# KiCad board EOutside.kicad_pcb (continued)
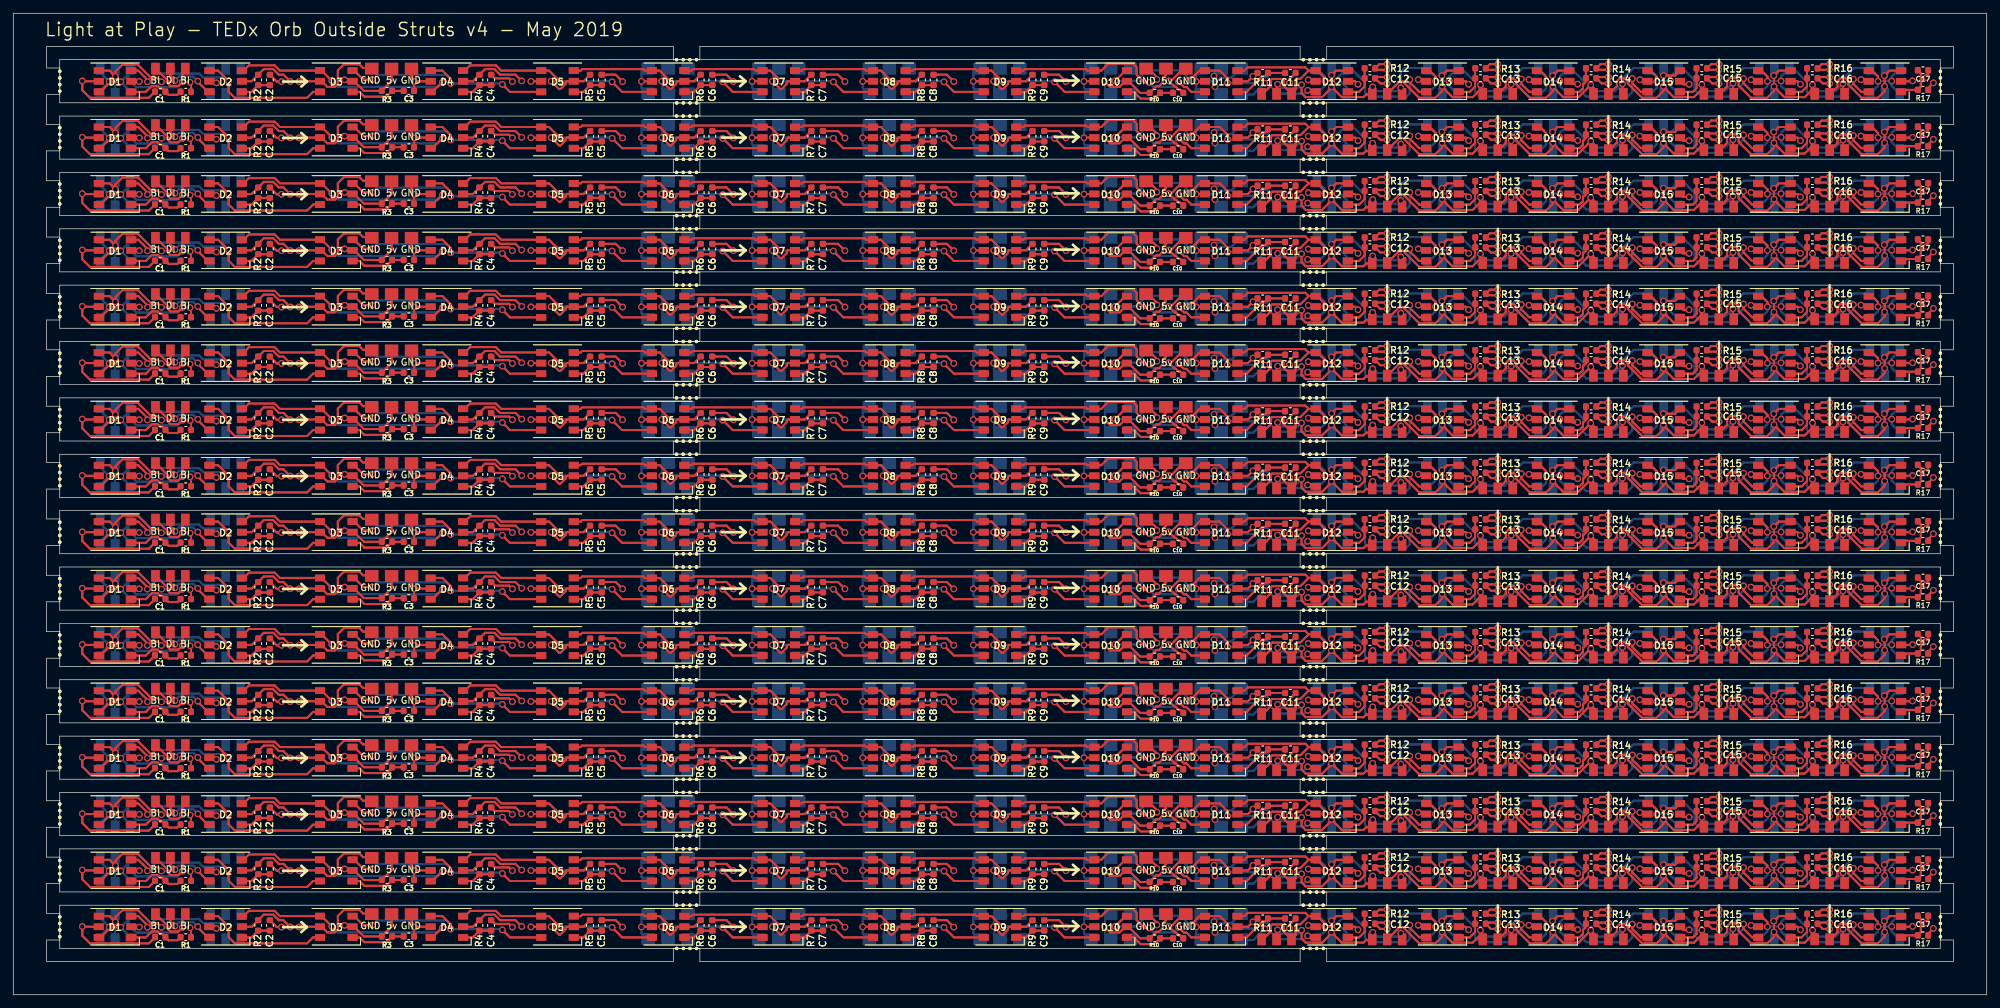
[diagram p0: board, top side]
## Routing (per net, layer and track width the routed paths; a pad name or vN(x,y) marks a point on that pad's centre or on a via; arc(x,y) is an arc through that point) (continued)
  Bottom w0.3: 248.72,139.74 248.72,139.34 248.72,139.74 ; 248.72,139.74 248.67,139.8 248.72,139.74 ; 248.62,135.9 v1(248.62,136.97) 248.62,135.9 ; 248.62,135.9 J11#34.1 248.62,135.9 ; v1(266.35,137.79) 266.35,138.47 ; v1(266.35,137.79) 266.35,137.03 ; v1(266.35,137.79) 264.33,137.79 ; v1(266.35,137.79) 266.35,138.47 ; v1(266.35,137.79) 266.35,137.03 ; v1(266.35,137.79) 264.33,137.79 ; 266.35,138.47 267.53,139.65 266.35,138.47 ; 266.35,137.03 267.53,135.85 266.35,137.03 ; 264.33,137.79 v1(264.29,137.75) ; 264.33,137.79 v1(264.29,137.75) ; v1(264.29,137.75) 264.29,137.05 ; v1(264.29,137.75) 264.29,137.05 ; v1(264.29,137.75) 264.29,138.45 ; v1(264.29,137.75) 264.29,138.45 ; 264.29,137.05 J14#33.2 264.29,137.05 ; v1(266.35,129.29) 266.35,129.97 ; v1(266.35,129.29) 266.35,128.53 ; v1(266.35,129.29) 264.33,129.29 ; v1(266.35,129.29) 264.33,129.29 ; v1(266.35,129.29) 266.35,128.53 ; v1(266.35,129.29) 266.35,129.97 ; 266.35,129.97 267.53,131.15 266.35,129.97 ; 266.35,128.53 267.53,127.35 266.35,128.53 ; 264.33,129.29 v1(264.29,129.25) ; 264.33,129.29 v1(264.29,129.25) ; v1(264.29,129.25) 264.29,128.55 ; v1(264.29,129.25) 264.29,129.95 ; v1(264.29,129.25) 264.29,129.95 ; v1(264.29,129.25) 264.29,128.55 ; 264.29,128.55 J14#36.2 264.29,128.55 ; 248.72,131.24 248.72,130.84 248.72,131.24 ; 248.72,131.24 248.67,131.3 248.72,131.24 ; 248.62,127.4 v1(248.62,128.47) 248.62,127.4 ; 248.62,127.4 J11#35.1 248.62,127.4 ; 248.62,131.11 J11#36.1 248.62,131.11 ; 248.62,131.11 248.62,130.83 ; 248.62,131.11 248.62,130.83 ; 248.62,130.83 v1(248.62,130.12) 248.62,130.83 ; 264.29,129.95 J14#35.2 264.29,129.95 ; 257.91,127.76 258.6,128.45 ; 257.91,127.76 255.4,127.76 ; 257.91,127.76 258.6,128.45 ; 257.91,127.76 255.4,127.76 ; 258.6,128.45 v1(259.1,128.95) ; 258.6,128.45 v1(259.1,128.95) ; 259.1,129.66 v1(259.1,128.95) ; 259.1,129.66 260.69,131.25 ; 259.1,129.66 v1(259.1,128.95) ; 259.1,129.66 260.69,131.25 ; 260.69,131.25 263.08,131.25 260.69,131.25 ; 255.4,127.76 v1(254.41,128.75) 255.4,127.76 ; 275.3,126.93 277.23,128.85 ; 275.3,126.93 270.99,126.93 ; 275.3,126.93 270.99,126.93 ; 275.3,126.93 277.23,128.85 ; 277.23,128.85 v1(277.23,129.56) 277.23,128.85 ; 270.25,129.11 270.25,127.67 ; 270.25,129.11 268.06,131.3 ; 270.25,129.11 268.06,131.3 ; 270.25,129.11 270.25,127.67 ; 270.25,127.67 270.99,126.93 ; 270.25,127.67 270.99,126.93 ; 268.06,131.3 267.58,131.3 268.06,131.3 ; v1(266.35,120.79) 266.35,121.47 ; v1(266.35,120.79) 266.35,120.03 ; v1(266.35,120.79) 264.33,120.79 ; v1(266.35,120.79) 266.35,121.47 ; v1(266.35,120.79) 266.35,120.03 ; v1(266.35,120.79) 264.33,120.79 ; 266.35,121.47 267.53,122.65 266.35,121.47 ; 266.35,120.03 267.53,118.85 266.35,120.03 ; 264.33,120.79 v1(264.29,120.75) ; 264.33,120.79 v1(264.29,120.75) ; v1(264.29,120.75) 264.29,120.05 ; v1(264.29,120.75) 264.29,121.45 ; v1(264.29,120.75) 264.29,120.05 ; v1(264.29,120.75) 264.29,121.45 ; 264.29,120.05 J14#38.2 264.29,120.05 ; 248.72,122.74 248.72,122.34 248.72,122.74 ; 248.72,122.74 248.67,122.8 248.72,122.74 ; 248.62,118.9 v1(248.62,119.97) 248.62,118.9 ; 248.62,118.9 J11#37.1 248.62,118.9 ; 248.62,122.61 J11#38.1 248.62,122.61 ; 248.62,122.61 248.62,122.33 ; 248.62,122.61 248.62,122.33 ; 248.62,122.33 v1(248.62,121.62) 248.62,122.33 ; 264.29,121.45 J14#37.2 264.29,121.45 ; 257.91,119.26 258.6,119.95 ; 257.91,119.26 255.4,119.26 ; 257.91,119.26 258.6,119.95 ; 257.91,119.26 255.4,119.26 ; 258.6,119.95 v1(259.1,120.45) ; 258.6,119.95 v1(259.1,120.45) ; 259.1,121.16 v1(259.1,120.45) ; 259.1,121.16 260.69,122.75 ; 259.1,121.16 v1(259.1,120.45) ; 259.1,121.16 260.69,122.75 ; 260.69,122.75 263.08,122.75 260.69,122.75 ; 255.4,119.26 v1(254.41,120.25) 255.4,119.26 ; 275.3,118.43 277.23,120.35 ; 275.3,118.43 270.99,118.43 ; 275.3,118.43 270.99,118.43 ; 275.3,118.43 277.23,120.35 ; 277.23,120.35 v1(277.23,121.06) 277.23,120.35 ; 270.25,120.61 270.25,119.17 ; 270.25,120.61 268.06,122.8 ; 270.25,120.61 268.06,122.8 ; 270.25,120.61 270.25,119.17 ; 270.25,119.17 270.99,118.43 ; 270.25,119.17 270.99,118.43 ; 268.06,122.8 267.58,122.8 268.06,122.8 ; 270.25,110.67 270.99,109.93 ; 270.25,110.67 270.25,112.11 ; 270.25,110.67 270.25,112.11 ; 270.25,110.67 270.99,109.93 ; 270.99,109.93 275.3,109.93 ; 270.99,109.93 275.3,109.93 ; 268.06,114.3 267.58,114.3 268.06,114.3 ; 268.06,114.3 270.25,112.11 ; 268.06,114.3 270.25,112.11 ; 248.62,114.11 J11#39.1 248.62,114.11 ; 248.62,114.11 248.62,113.83 ; 248.62,114.11 248.62,113.83 ; 275.3,109.93 277.23,111.85 ; 275.3,109.93 277.23,111.85 ; 248.62,113.83 v1(248.62,113.12) 248.62,113.83 ; 264.29,112.95 J14#40.2 264.29,112.95 ; 264.29,112.95 v1(264.29,112.25) ; 264.29,112.95 v1(264.29,112.25) ; v1(264.29,112.25) 264.33,112.29 ; v1(264.29,112.25) 264.29,111.55 ; v1(264.29,112.25) 264.33,112.29 ; v1(264.29,112.25) 264.29,111.55 ; 277.23,111.85 v1(277.23,112.56) 277.23,111.85 ; 259.1,112.66 v1(259.1,111.95) ; 259.1,112.66 260.69,114.25 ; 259.1,112.66 v1(259.1,111.95) ; 259.1,112.66 260.69,114.25 ; v1(259.1,111.95) 258.6,111.45 ; v1(259.1,111.95) 258.6,111.45 ; 260.69,114.25 263.08,114.25 260.69,114.25 ; 257.91,110.76 258.6,111.45 ; 257.91,110.76 255.4,110.76 ; 257.91,110.76 258.6,111.45 ; 257.91,110.76 255.4,110.76 ; 255.4,110.76 v1(254.41,111.75) 255.4,110.76 ; 248.72,114.24 248.67,114.3 248.72,114.24 ; 248.72,114.24 248.72,113.84 248.72,114.24 ; 248.62,110.4 J11#40.1 248.62,110.4 ; 248.62,110.4 v1(248.62,111.47) 248.62,110.4 ; 266.35,111.53 267.53,110.35 266.35,111.53 ; 266.35,111.53 v1(266.35,112.29) ; 266.35,111.53 v1(266.35,112.29) ; 264.33,112.29 v1(266.35,112.29) ; 264.33,112.29 v1(266.35,112.29) ; 264.29,111.55 J14#39.2 264.29,111.55 ; 266.35,112.97 267.53,114.15 266.35,112.97 ; 266.35,112.97 v1(266.35,112.29) ; 266.35,112.97 v1(266.35,112.29) ; 248.62,139.61 J11#33.1 248.62,139.61 ; 248.62,139.61 248.62,139.33 ; 248.62,139.61 248.62,139.33 ; 248.62,139.33 v1(248.62,138.62) 248.62,139.33 ; 264.29,138.45 J14#34.2 264.29,138.45 ; 257.91,136.26 258.6,136.95 ; 257.91,136.26 255.4,136.26 ; 257.91,136.26 255.4,136.26 ; 257.91,136.26 258.6,136.95 ; 258.6,136.95 v1(259.1,137.45) ; 258.6,136.95 v1(259.1,137.45) ; 259.1,138.16 v1(259.1,137.45) ; 259.1,138.16 260.69,139.75 ; 259.1,138.16 v1(259.1,137.45) ; 259.1,138.16 260.69,139.75 ; 260.69,139.75 263.08,139.75 260.69,139.75 ; 255.4,136.26 v1(254.41,137.25) 255.4,136.26 ; 275.3,135.43 277.23,137.35 ; 275.3,135.43 270.99,135.43 ; 275.3,135.43 277.23,137.35 ; 275.3,135.43 270.99,135.43 ; 277.23,137.35 v1(277.23,138.06) 277.23,137.35 ; 270.25,137.61 270.25,136.17 ; 270.25,137.61 268.06,139.8 ; 270.25,137.61 270.25,136.17 ; 270.25,137.61 268.06,139.8 ; 270.25,136.17 270.99,135.43 ; 270.25,136.17 270.99,135.43 ; 268.06,139.8 267.58,139.8 268.06,139.8 ; v1(266.35,103.79) 266.35,104.47 ; v1(266.35,103.79) 266.35,103.03 ; v1(266.35,103.79) 264.33,103.79 ; v1(266.35,103.79) 266.35,104.47 ; v1(266.35,103.79) 266.35,103.03 ; v1(266.35,103.79) 264.33,103.79 ; 266.35,104.47 267.53,105.65 266.35,104.47 ; 266.35,103.03 267.53,101.85 266.35,103.03 ; 264.33,103.79 v1(264.29,103.75) ; 264.33,103.79 v1(264.29,103.75) ; v1(264.29,103.75) 264.29,103.05 ; v1(264.29,103.75) 264.29,104.45 ; v1(264.29,103.75) 264.29,103.05 ; v1(264.29,103.75) 264.29,104.45 ; 264.29,103.05 J14#54.2 264.29,103.05 ; 248.72,105.74 248.72,105.34 248.72,105.74 ; 248.72,105.74 248.67,105.8 248.72,105.74 ; 248.62,101.9 v1(248.62,102.97) 248.62,101.9 ; 248.62,101.9 J11#53.1 248.62,101.9 ; 248.62,105.61 J11#54.1 248.62,105.61 ; 248.62,105.61 248.62,105.33 ; 248.62,105.61 248.62,105.33 ; 248.62,105.33 v1(248.62,104.62) 248.62,105.33 ; 264.29,104.45 J14#53.2 264.29,104.45 ; 257.91,102.26 258.6,102.95 ; 257.91,102.26 255.4,102.26 ; 257.91,102.26 258.6,102.95 ; 257.91,102.26 255.4,102.26 ; 258.6,102.95 v1(259.1,103.45) ; 258.6,102.95 v1(259.1,103.45) ; 259.1,104.16 v1(259.1,103.45) ; 259.1,104.16 260.69,105.75 ; 259.1,104.16 v1(259.1,103.45) ; 259.1,104.16 260.69,105.75 ; 260.69,105.75 263.08,105.75 260.69,105.75 ; 255.4,102.26 v1(254.41,103.25) 255.4,102.26 ; 275.3,101.43 277.23,103.35 ; 275.3,101.43 270.99,101.43 ; 275.3,101.43 277.23,103.35 ; 275.3,101.43 270.99,101.43 ; 277.23,103.35 v1(277.23,104.06) 277.23,103.35 ; 270.25,103.61 270.25,102.17 ; 270.25,103.61 268.06,105.8 ; 270.25,103.61 270.25,102.17 ; 270.25,103.61 268.06,105.8 ; 270.25,102.17 270.99,101.43 ; 270.25,102.17 270.99,101.43 ; 268.06,105.8 267.58,105.8 268.06,105.8 ; 270.25,93.67 270.99,92.93 ; 270.25,93.67 270.25,95.11 ; 270.25,93.67 270.25,95.11 ; 270.25,93.67 270.99,92.93 ; 270.99,92.93 275.3,92.93 ; 270.99,92.93 275.3,92.93 ; 268.06,97.3 267.58,97.3 268.06,97.3 ; 268.06,97.3 270.25,95.11 ; 268.06,97.3 270.25,95.11 ; 248.62,97.11 J11#55.1 248.62,97.11 ; 248.62,97.11 248.62,96.83 ; 248.62,97.11 248.62,96.83 ; 275.3,92.93 277.23,94.85 ; 275.3,92.93 277.23,94.85 ; 248.62,96.83 v1(248.62,96.12) 248.62,96.83 ; 264.29,95.95 J14#61.2 264.29,95.95 ; 264.29,95.95 v1(264.29,95.25) ; 264.29,95.95 v1(264.29,95.25) ; v1(264.29,95.25) 264.33,95.29 ; v1(264.29,95.25) 264.29,94.55 ; v1(264.29,95.25) 264.33,95.29 ; v1(264.29,95.25) 264.29,94.55 ; 277.23,94.85 v1(277.23,95.56) 277.23,94.85 ; 259.1,95.66 v1(259.1,94.95) ; 259.1,95.66 260.69,97.25 ; 259.1,95.66 v1(259.1,94.95) ; 259.1,95.66 260.69,97.25 ; v1(259.1,94.95) 258.6,94.45 ; v1(259.1,94.95) 258.6,94.45 ; 260.69,97.25 263.08,97.25 260.69,97.25 ; 257.91,93.76 258.6,94.45 ; 257.91,93.76 255.4,93.76 ; 257.91,93.76 258.6,94.45 ; 257.91,93.76 255.4,93.76 ; 255.4,93.76 v1(254.41,94.75) 255.4,93.76 ; 248.72,97.24 248.67,97.3 248.72,97.24 ; 248.72,97.24 248.72,96.84 248.72,97.24 ; 248.62,93.4 J11#58.1 248.62,93.4 ; 248.62,93.4 v1(248.62,94.47) 248.62,93.4 ; 266.35,94.53 267.53,93.35 266.35,94.53 ; 266.35,94.53 v1(266.35,95.29) ; 266.35,94.53 v1(266.35,95.29) ; 264.33,95.29 v1(266.35,95.29) ; 264.33,95.29 v1(266.35,95.29) ; 264.29,94.55 J14#57.2 264.29,94.55 ; 266.35,95.97 267.53,97.15 266.35,95.97 ; 266.35,95.97 v1(266.35,95.29) ; 266.35,95.97 v1(266.35,95.29) ; 268.06,80.3 267.58,80.3 268.06,80.3 ; 268.06,80.3 270.25,78.11 ; 268.06,80.3 270.25,78.11 ; 248.62,80.11 J11#51.1 248.62,80.11 ; 248.62,80.11 248.62,79.83 ; 248.62,80.11 248.62,79.83 ; 270.99,75.93 275.3,75.93 ; 270.99,75.93 270.25,76.67 ; 270.99,75.93 275.3,75.93 ; 270.99,75.93 270.25,76.67 ; 275.3,75.93 277.23,77.85 ; 275.3,75.93 277.23,77.85 ; 248.62,79.83 v1(248.62,79.12) 248.62,79.83 ; 264.29,78.95 J14#52.2 264.29,78.95 ; 264.29,78.95 v1(264.29,78.25) ; 264.29,78.95 v1(264.29,78.25) ; v1(264.29,78.25) 264.33,78.29 ; v1(264.29,78.25) 264.29,77.55 ; v1(264.29,78.25) 264.33,78.29 ; v1(264.29,78.25) 264.29,77.55 ; 277.23,77.85 v1(277.23,78.56) 277.23,77.85 ; 259.1,78.66 v1(259.1,77.95) ; 259.1,78.66 260.69,80.25 ; 259.1,78.66 v1(259.1,77.95) ; 259.1,78.66 260.69,80.25 ; v1(259.1,77.95) 258.6,77.45 ; v1(259.1,77.95) 258.6,77.45 ; 260.69,80.25 263.08,80.25 260.69,80.25 ; 257.91,76.76 258.6,77.45 ; 257.91,76.76 255.4,76.76 ; 257.91,76.76 258.6,77.45 ; 257.91,76.76 255.4,76.76 ; 270.25,78.11 270.25,76.67 ; 270.25,78.11 270.25,76.67 ; 255.4,76.76 v1(254.41,77.75) 255.4,76.76 ; 248.72,80.24 248.67,80.3 248.72,80.24 ; 248.72,80.24 248.72,79.84 248.72,80.24 ; 248.62,76.4 J11#52.1 248.62,76.4 ; 248.62,76.4 v1(248.62,77.47) 248.62,76.4 ; 266.35,77.53 267.53,76.35 266.35,77.53 ; 266.35,77.53 v1(266.35,78.29) ; 266.35,77.53 v1(266.35,78.29) ; 264.33,78.29 v1(266.35,78.29) ; 264.33,78.29 v1(266.35,78.29) ; 264.29,77.55 J14#51.2 264.29,77.55 ; 266.35,78.97 267.53,80.15 266.35,78.97 ; 266.35,78.97 v1(266.35,78.29) ; 266.35,78.97 v1(266.35,78.29) ; 268.06,88.8 270.25,86.61 ; 268.06,88.8 267.58,88.8 268.06,88.8 ; 268.06,88.8 270.25,86.61 ; 270.25,86.61 270.25,85.17 ; 270.25,86.61 270.25,85.17 ; 277.23,86.35 v1(277.23,87.06) 277.23,86.35 ; 277.23,86.35 275.3,84.43 ; 277.23,86.35 275.3,84.43 ; 270.99,84.43 275.3,84.43 ; 270.99,84.43 270.25,85.17 ; 270.99,84.43 275.3,84.43 ; 270.99,84.43 270.25,85.17 ; v1(266.35,86.79) 266.35,87.47 ; v1(266.35,86.79) 266.35,86.03 ; v1(266.35,86.79) 264.33,86.79 ; v1(266.35,86.79) 264.33,86.79 ; v1(266.35,86.79) 266.35,87.47 ; v1(266.35,86.79) 266.35,86.03 ; 266.35,87.47 267.53,88.65 266.35,87.47 ; 266.35,86.03 267.53,84.85 266.35,86.03 ; 264.33,86.79 v1(264.29,86.75) ; 264.33,86.79 v1(264.29,86.75) ; v1(264.29,86.75) 264.29,86.05 ; v1(264.29,86.75) 264.29,87.45 ; v1(264.29,86.75) 264.29,87.45 ; v1(264.29,86.75) 264.29,86.05 ; 264.29,86.05 J14#50.2 264.29,86.05 ; 248.72,88.74 248.72,88.34 248.72,88.74 ; 248.72,88.74 248.67,88.8 248.72,88.74 ; 248.62,84.9 v1(248.62,85.97) 248.62,84.9 ; 248.62,84.9 J11#49.1 248.62,84.9 ; 248.62,88.61 J11#50.1 248.62,88.61 ; 248.62,88.61 248.62,88.33 ; 248.62,88.61 248.62,88.33 ; 248.62,88.33 v1(248.62,87.62) 248.62,88.33 ; 264.29,87.45 J14#49.2 264.29,87.45 ; 257.91,85.26 258.6,85.95 ; 257.91,85.26 255.4,85.26 ; 257.91,85.26 255.4,85.26 ; 257.91,85.26 258.6,85.95 ; 258.6,85.95 v1(259.1,86.45) ; 258.6,85.95 v1(259.1,86.45) ; 259.1,87.16 v1(259.1,86.45) ; 259.1,87.16 260.69,88.75 ; 259.1,87.16 260.69,88.75 ; 259.1,87.16 v1(259.1,86.45) ; 260.69,88.75 263.08,88.75 260.69,88.75 ; 255.4,85.26 v1(254.41,86.25) 255.4,85.26 ; v1(266.35,69.79) 266.35,70.47 ; v1(266.35,69.79) 266.35,69.03 ; v1(266.35,69.79) 264.33,69.79 ; v1(266.35,69.79) 266.35,70.47 ; v1(266.35,69.79) 266.35,69.03 ; v1(266.35,69.79) 264.33,69.79 ; 266.35,70.47 267.53,71.65 266.35,70.47 ; 266.35,69.03 267.53,67.85 266.35,69.03 ; 264.33,69.79 v1(264.29,69.75) ; 264.33,69.79 v1(264.29,69.75) ; v1(264.29,69.75) 264.29,69.05 ; v1(264.29,69.75) 264.29,70.45 ; v1(264.29,69.75) 264.29,69.05 ; v1(264.29,69.75) 264.29,70.45 ; 264.29,69.05 J14#73.2 264.29,69.05 ; 248.72,71.74 248.72,71.34 248.72,71.74 ; 248.72,71.74 248.67,71.8 248.72,71.74 ; 248.62,67.9 v1(248.62,68.97) 248.62,67.9 ; 248.62,67.9 J11#66.1 248.62,67.9 ; 248.62,71.61 J11#73.1 248.62,71.61 ; 248.62,71.61 248.62,71.33 ; 248.62,71.61 248.62,71.33 ; 248.62,71.33 v1(248.62,70.62) 248.62,71.33 ; 264.29,70.45 J14#78.2 264.29,70.45 ; 257.91,68.26 258.6,68.95 ; 257.91,68.26 255.4,68.26 ; 257.91,68.26 258.6,68.95 ; 257.91,68.26 255.4,68.26 ; 258.6,68.95 v1(259.1,69.45) ; 258.6,68.95 v1(259.1,69.45) ; 259.1,70.16 v1(259.1,69.45) ; 259.1,70.16 260.69,71.75 ; 259.1,70.16 v1(259.1,69.45) ; 259.1,70.16 260.69,71.75 ; 260.69,71.75 263.08,71.75 260.69,71.75 ; 255.4,68.26 v1(254.41,69.25) 255.4,68.26 ; 275.3,67.43 277.23,69.35 ; 275.3,67.43 270.99,67.43 ; 275.3,67.43 277.23,69.35 ; 275.3,67.43 270.99,67.43 ; 277.23,69.35 v1(277.23,70.06) 277.23,69.35 ; 270.25,69.61 270.25,68.17 ; 270.25,69.61 268.06,71.8 ; 270.25,69.61 270.25,68.17 ; 270.25,69.61 268.06,71.8 ; 270.25,68.17 270.99,67.43 ; 270.25,68.17 270.99,67.43 ; 268.06,71.8 267.58,71.8 268.06,71.8 ; 270.25,59.67 270.99,58.93 ; 270.25,59.67 270.25,61.11 ; 270.25,59.67 270.25,61.11 ; 270.25,59.67 270.99,58.93 ; 270.99,58.93 275.3,58.93 ; 270.99,58.93 275.3,58.93 ; 268.06,63.3 267.58,63.3 268.06,63.3 ; 268.06,63.3 270.25,61.11 ; 268.06,63.3 270.25,61.11 ; 248.62,63.11 J11#65.1 248.62,63.11 ; 248.62,63.11 248.62,62.83 ; 248.62,63.11 248.62,62.83 ; 275.3,58.93 277.23,60.85 ; 275.3,58.93 277.23,60.85 ; 248.62,62.83 v1(248.62,62.12) 248.62,62.83 ; 264.29,61.95 J14#76.2 264.29,61.95 ; 264.29,61.95 v1(264.29,61.25) ; 264.29,61.95 v1(264.29,61.25) ; v1(264.29,61.25) 264.33,61.29 ; v1(264.29,61.25) 264.29,60.55 ; v1(264.29,61.25) 264.33,61.29 ; v1(264.29,61.25) 264.29,60.55 ; 277.23,60.85 v1(277.23,61.56) 277.23,60.85 ; 259.1,61.66 v1(259.1,60.95) ; 259.1,61.66 260.69,63.25 ; 259.1,61.66 v1(259.1,60.95) ; 259.1,61.66 260.69,63.25 ; v1(259.1,60.95) 258.6,60.45 ; v1(259.1,60.95) 258.6,60.45 ; 260.69,63.25 263.08,63.25 260.69,63.25 ; 257.91,59.76 258.6,60.45 ; 257.91,59.76 255.4,59.76 ; 257.91,59.76 258.6,60.45 ; 257.91,59.76 255.4,59.76 ; 255.4,59.76 v1(254.41,60.75) 255.4,59.76 ; 248.72,63.24 248.67,63.3 248.72,63.24 ; 248.72,63.24 248.72,62.84 248.72,63.24 ; 248.62,59.4 J11#68.1 248.62,59.4 ; 248.62,59.4 v1(248.62,60.47) 248.62,59.4 ; 266.35,60.53 267.53,59.35 266.35,60.53 ; 266.35,60.53 v1(266.35,61.29) ; 266.35,60.53 v1(266.35,61.29) ; 264.33,61.29 v1(266.35,61.29) ; 264.33,61.29 v1(266.35,61.29) ; 264.29,60.55 J14#66.2 264.29,60.55 ; 266.35,61.97 267.53,63.15 266.35,61.97 ; 266.35,61.97 v1(266.35,61.29) ; 266.35,61.97 v1(266.35,61.29) ; 270.25,42.67 270.99,41.93 ; 270.25,42.67 270.25,44.11 ; 270.25,42.67 270.99,41.93 ; 270.25,42.67 270.25,44.11 ; 270.99,41.93 275.3,41.93 ; 270.99,41.93 275.3,41.93 ; 257.91,42.76 258.6,43.45 ; 257.91,42.76 255.4,42.76 ; 257.91,42.76 258.6,43.45 ; 257.91,42.76 255.4,42.76 ; 258.6,43.45 v1(259.1,43.95) ; 258.6,43.45 v1(259.1,43.95) ; 268.06,46.3 270.25,44.11 ; 268.06,46.3 267.58,46.3 268.06,46.3 ; 268.06,46.3 270.25,44.11 ; 260.69,46.25 259.1,44.66 ; 260.69,46.25 263.08,46.25 260.69,46.25 ; 260.69,46.25 259.1,44.66 ; 259.1,44.66 v1(259.1,43.95) ; 259.1,44.66 v1(259.1,43.95) ; 255.4,42.76 v1(254.41,43.75) 255.4,42.76 ; 248.72,46.24 248.67,46.3 248.72,46.24 ; 248.72,46.24 248.72,45.84 248.72,46.24 ; 275.3,41.93 277.23,43.85 ; 275.3,41.93 277.23,43.85 ; 277.23,43.85 v1(277.23,44.56) 277.23,43.85 ; 248.62,42.4 J11#69.1 248.62,42.4 ; 248.62,42.4 v1(248.62,43.47) 248.62,42.4 ; 266.35,43.53 267.53,42.35 266.35,43.53 ; 266.35,43.53 v1(266.35,44.29) ; 266.35,43.53 v1(266.35,44.29) ; 264.33,44.29 v1(264.29,44.25) ; 264.33,44.29 v1(266.35,44.29) ; 264.33,44.29 v1(264.29,44.25) ; 264.33,44.29 v1(266.35,44.29) ; v1(264.29,44.25) 264.29,43.55 ; v1(264.29,44.25) 264.29,44.95 ; v1(264.29,44.25) 264.29,44.95 ; v1(264.29,44.25) 264.29,43.55 ; 264.29,43.55 J14#65.2 264.29,43.55 ; 266.35,44.97 267.53,46.15 266.35,44.97 ; 266.35,44.97 v1(266.35,44.29) ; 266.35,44.97 v1(266.35,44.29) ; 248.62,46.11 J11#72.1 248.62,46.11 ; 248.62,46.11 248.62,45.83 ; 248.62,46.11 248.62,45.83 ; 248.62,45.83 v1(248.62,45.12) 248.62,45.83 ; 264.29,44.95 J14#68.2 264.29,44.95 ; 268.06,54.8 270.25,52.61 ; 268.06,54.8 267.58,54.8 268.06,54.8 ; 268.06,54.8 270.25,52.61 ; 270.25,52.61 270.25,51.17 ; 270.25,52.61 270.25,51.17 ; 277.23,52.35 v1(277.23,53.06) 277.23,52.35 ; 277.23,52.35 275.3,50.43 ; 277.23,52.35 275.3,50.43 ; 270.99,50.43 275.3,50.43 ; 270.99,50.43 270.25,51.17 ; 270.99,50.43 275.3,50.43 ; 270.99,50.43 270.25,51.17 ; v1(266.35,52.79) 266.35,53.47 ; v1(266.35,52.79) 266.35,52.03 ; v1(266.35,52.79) 264.33,52.79 ; v1(266.35,52.79) 264.33,52.79 ; v1(266.35,52.79) 266.35,53.47 ; v1(266.35,52.79) 266.35,52.03 ; 266.35,53.47 267.53,54.65 266.35,53.47 ; 266.35,52.03 267.53,50.85 266.35,52.03 ; 264.33,52.79 v1(264.29,52.75) ; 264.33,52.79 v1(264.29,52.75) ; v1(264.29,52.75) 264.29,52.05 ; v1(264.29,52.75) 264.29,53.45 ; v1(264.29,52.75) 264.29,53.45 ; v1(264.29,52.75) 264.29,52.05 ; 264.29,52.05 J14#70.2 264.29,52.05 ; 248.72,54.74 248.72,54.34 248.72,54.74 ; 248.72,54.74 248.67,54.8 248.72,54.74 ; 248.62,50.9 v1(248.62,51.97) 248.62,50.9 ; 248.62,50.9 J11#71.1 248.62,50.9 ; 248.62,54.61 J11#70.1 248.62,54.61 ; 248.62,54.61 248.62,54.33 ; 248.62,54.61 248.62,54.33 ; 248.62,54.33 v1(248.62,53.62) 248.62,54.33 ; 264.29,53.45 J14#71.2 264.29,53.45 ; 257.91,51.26 258.6,51.95 ; 257.91,51.26 255.4,51.26 ; 257.91,51.26 255.4,51.26 ; 257.91,51.26 258.6,51.95 ; 258.6,51.95 v1(259.1,52.45) ; 258.6,51.95 v1(259.1,52.45) ; 259.1,53.16 v1(259.1,52.45) ; 259.1,53.16 260.69,54.75 ; 259.1,53.16 260.69,54.75 ; 259.1,53.16 v1(259.1,52.45) ; 260.69,54.75 263.08,54.75 260.69,54.75 ; 255.4,51.26 v1(254.41,52.25) 255.4,51.26 ; 270.25,17.17 270.99,16.43 ; 270.25,17.17 270.99,16.43 ; 270.25,17.17 270.25,18.61 ; 270.25,17.17 270.25,18.61 ; 270.99,16.43 275.3,16.43 ; 270.99,16.43 275.3,16.43 ; 268.06,20.8 267.58,20.8 268.06,20.8 ; 268.06,20.8 270.25,18.61 ; 268.06,20.8 270.25,18.61 ; 275.3,16.43 277.23,18.35 ; 275.3,16.43 277.23,18.35 ; 277.23,18.35 v1(277.23,19.06) 277.23,18.35 ; v1(264.29,35.75) 264.29,35.05 ; v1(264.29,35.75) 264.33,35.79 ; v1(264.29,35.75) 264.29,36.45 ; v1(264.29,35.75) 264.29,35.05 ; v1(264.29,35.75) 264.33,35.79 ; v1(264.29,35.75) 264.29,36.45 ; 264.29,35.05 J14#85.2 264.29,35.05 ; 264.33,35.79 v1(266.35,35.79) ; 264.33,35.79 v1(266.35,35.79) ; 266.35,35.03 267.53,33.85 266.35,35.03 ; 266.35,35.03 v1(266.35,35.79) ; 266.35,35.03 v1(266.35,35.79) ; 248.72,37.74 248.72,37.34 248.72,37.74 ; 248.72,37.74 248.67,37.8 248.72,37.74 ; 248.62,33.9 v1(248.62,34.97) 248.62,33.9 ; 248.62,33.9 J11#81.1 248.62,33.9 ; 248.62,37.61 J11#88.1 248.62,37.61 ; 248.62,37.61 248.62,37.33 ; 248.62,37.61 248.62,37.33 ; 248.62,37.33 v1(248.62,36.62) 248.62,37.33 ; 264.29,36.45 J14#86.2 264.29,36.45 ; 257.91,34.26 258.6,34.95 ; 257.91,34.26 255.4,34.26 ; 257.91,34.26 255.4,34.26 ; 257.91,34.26 258.6,34.95 ; 258.6,34.95 v1(259.1,35.45) ; 258.6,34.95 v1(259.1,35.45) ; 259.1,36.16 v1(259.1,35.45) ; 259.1,36.16 260.69,37.75 ; 259.1,36.16 v1(259.1,35.45) ; 259.1,36.16 260.69,37.75 ; 260.69,37.75 263.08,37.75 260.69,37.75 ; 255.4,34.26 v1(254.41,35.25) 255.4,34.26 ; 275.3,33.43 277.23,35.35 ; 275.3,33.43 270.99,33.43 ; 275.3,33.43 277.23,35.35 ; 275.3,33.43 270.99,33.43 ; 277.23,35.35 v1(277.23,36.06) 277.23,35.35 ; 270.25,35.61 270.25,34.17 ; 270.25,35.61 268.06,37.8 ; 270.25,35.61 270.25,34.17 ; 270.25,35.61 268.06,37.8 ; 270.25,34.17 270.99,33.43 ; 270.25,34.17 270.99,33.43 ; 268.06,37.8 267.58,37.8 268.06,37.8 ; v1(266.35,35.79) 266.35,36.47 ; v1(266.35,35.79) 266.35,36.47 ; 266.35,36.47 267.53,37.65 266.35,36.47 ; 268.06,12.3 267.58,12.3 268.06,12.3 ; 268.06,12.3 270.25,10.11 ; 268.06,12.3 270.25,10.11 ; 248.62,12.11 J11#84.1 248.62,12.11 ; 248.62,12.11 248.62,11.83 ; 248.62,12.11 248.62,11.83 ; 270.99,7.93 275.3,7.93 ; 270.99,7.93 270.25,8.67 ; 270.99,7.93 275.3,7.93 ; 270.99,7.93 270.25,8.67 ; 275.3,7.93 277.23,9.85 ; 275.3,7.93 277.23,9.85 ; 248.62,11.83 v1(248.62,11.12) 248.62,11.83 ; 264.29,10.95 J14#82.2 264.29,10.95 ; 264.29,10.95 v1(264.29,10.25) ; 264.29,10.95 v1(264.29,10.25) ; v1(264.29,10.25) 264.33,10.29 ; v1(264.29,10.25) 264.29,9.55 ; v1(264.29,10.25) 264.33,10.29 ; v1(264.29,10.25) 264.29,9.55 ; 277.23,9.85 v1(277.23,10.56) 277.23,9.85 ; 259.1,10.66 v1(259.1,9.95) ; 259.1,10.66 v1(259.1,9.95) ; 259.1,10.66 260.69,12.25 ; 259.1,10.66 260.69,12.25 ; v1(259.1,9.95) 258.6,9.45 ; v1(259.1,9.95) 258.6,9.45 ; 260.69,12.25 263.08,12.25 260.69,12.25 ; v1(266.35,18.79) 266.35,19.47 ; v1(266.35,18.79) 266.35,18.03 ; v1(266.35,18.79) 264.33,18.79 ; v1(266.35,18.79) 264.33,18.79 ; v1(266.35,18.79) 266.35,19.47 ; v1(266.35,18.79) 266.35,18.03 ; 266.35,19.47 267.53,20.65 266.35,19.47 ; 266.35,18.03 267.53,16.85 266.35,18.03 ; 264.33,18.79 v1(264.29,18.75) ; 264.33,18.79 v1(264.29,18.75) ; v1(264.29,18.75) 264.29,18.05 ; v1(264.29,18.75) 264.29,19.45 ; v1(264.29,18.75) 264.29,19.45 ; v1(264.29,18.75) 264.29,18.05 ; 264.29,18.05 J14#90.2 264.29,18.05 ; 248.72,20.74 248.72,20.34 248.72,20.74 ; 248.72,20.74 248.67,20.8 248.72,20.74 ; 248.62,16.9 v1(248.62,17.97) 248.62,16.9 ; 248.62,16.9 J11#82.1 248.62,16.9 ; 248.62,20.61 J11#91.1 248.62,20.61 ; 248.62,20.61 248.62,20.33 ; 248.62,20.61 248.62,20.33 ; 248.62,20.33 v1(248.62,19.62) 248.62,20.33 ; 264.29,19.45 J14#81.2 264.29,19.45 ; 257.91,17.26 258.6,17.95 ; 257.91,17.26 255.4,17.26 ; 257.91,17.26 255.4,17.26 ; 257.91,17.26 258.6,17.95 ; 258.6,17.95 v1(259.1,18.45) ; 258.6,17.95 v1(259.1,18.45) ; 259.1,19.16 v1(259.1,18.45) ; 259.1,19.16 260.69,20.75 ; 259.1,19.16 260.69,20.75 ; 259.1,19.16 v1(259.1,18.45) ; 260.69,20.75 263.08,20.75 260.69,20.75 ; 255.4,17.26 v1(254.41,18.25) 255.4,17.26 ; 270.25,8.67 270.25,10.11 ; 270.25,8.67 270.25,10.11 ; 257.91,8.76 258.6,9.45 ; 257.91,8.76 255.4,8.76 ; 257.91,8.76 258.6,9.45 ; 257.91,8.76 255.4,8.76 ; 255.4,8.76 v1(254.41,9.75) 255.4,8.76 ; 248.72,12.24 248.67,12.3 248.72,12.24 ; 248.72,12.24 248.72,11.84 248.72,12.24 ; 248.62,8.4 J11#90.1 248.62,8.4 ; 248.62,8.4 v1(248.62,9.47) 248.62,8.4 ; 266.35,9.53 267.53,8.35 266.35,9.53 ; 266.35,9.53 v1(266.35,10.29) ; 266.35,9.53 v1(266.35,10.29) ; 264.33,10.29 v1(266.35,10.29) ; 264.33,10.29 v1(266.35,10.29) ; 264.29,9.55 J14#83.2 264.29,9.55 ; 266.35,10.97 267.53,12.15 266.35,10.97 ; 266.35,10.97 v1(266.35,10.29) ; 266.35,10.97 v1(266.35,10.29) ; 270.25,25.67 270.99,24.93 ; 270.25,25.67 270.25,27.11 ; 270.25,25.67 270.25,27.11 ; 270.25,25.67 270.99,24.93 ; 270.99,24.93 275.3,24.93 ; 270.99,24.93 275.3,24.93 ; 268.06,29.3 267.58,29.3 268.06,29.3 ; 268.06,29.3 270.25,27.11 ; 268.06,29.3 270.25,27.11 ; 257.91,25.76 258.6,26.45 ; 257.91,25.76 255.4,25.76 ; 257.91,25.76 255.4,25.76 ; 257.91,25.76 258.6,26.45 ; 258.6,26.45 v1(259.1,26.95) ; 258.6,26.45 v1(259.1,26.95) ; 260.69,29.25 259.1,27.66 ; 260.69,29.25 263.08,29.25 260.69,29.25 ; 260.69,29.25 259.1,27.66 ; 259.1,27.66 v1(259.1,26.95) ; 259.1,27.66 v1(259.1,26.95) ; 255.4,25.76 v1(254.41,26.75) 255.4,25.76 ; 248.72,29.24 248.67,29.3 248.72,29.24 ; 248.72,29.24 248.72,28.84 248.72,29.24 ; 275.3,24.93 277.23,26.85 ; 275.3,24.93 277.23,26.85 ; 277.23,26.85 v1(277.23,27.56) 277.23,26.85 ; 248.62,25.4 J11#92.1 248.62,25.4 ; 248.62,25.4 v1(248.62,26.47) 248.62,25.4 ; 266.35,26.53 267.53,25.35 266.35,26.53 ; 266.35,26.53 v1(266.35,27.29) ; 266.35,26.53 v1(266.35,27.29) ; 264.33,27.29 v1(264.29,27.25) ; 264.33,27.29 v1(266.35,27.29) ; 264.33,27.29 v1(264.29,27.25) ; 264.33,27.29 v1(266.35,27.29) ; v1(264.29,27.25) 264.29,26.55 ; v1(264.29,27.25) 264.29,27.95 ; v1(264.29,27.25) 264.29,26.55 ; v1(264.29,27.25) 264.29,27.95 ; 264.29,26.55 J14#89.2 264.29,26.55 ; 266.35,27.97 267.53,29.15 266.35,27.97 ; 266.35,27.97 v1(266.35,27.29) ; 266.35,27.97 v1(266.35,27.29) ; 248.62,29.11 J11#85.1 248.62,29.11 ; 248.62,29.11 248.62,28.83 ; 248.62,29.11 248.62,28.83 ; 248.62,28.83 v1(248.62,28.12) 248.62,28.83 ; 264.29,27.95 J14#88.2 264.29,27.95 ; 248.67,135.75 248.6,135.82 248.67,135.75 ; 263.08,139.68 263.08,139.31 263.08,139.68 ; 263.08,131.18 263.08,130.81 263.08,131.18 ; 248.67,127.25 248.6,127.32 248.67,127.25 ; 263.08,122.68 263.08,122.31 263.08,122.68 ; 248.67,118.75 248.6,118.82 248.67,118.75 ; 248.67,110.25 248.6,110.32 248.67,110.25 ; 263.08,114.18 263.08,113.81 263.08,114.18 ; 263.08,105.68 263.08,105.31 263.08,105.68 ; 248.67,101.75 248.6,101.82 248.67,101.75 ; 248.67,93.25 248.6,93.32 248.67,93.25 ; 263.08,97.18 263.08,96.81 263.08,97.18 ; 248.67,76.25 248.6,76.32 248.67,76.25 ; 263.08,80.18 263.08,79.81 263.08,80.18 ; 263.08,88.68 263.08,88.31 263.08,88.68 ; 248.67,84.75 248.6,84.82 248.67,84.75 ; 263.08,71.68 263.08,71.31 263.08,71.68 ; 248.67,67.75 248.6,67.82 248.67,67.75 ; 248.67,59.25 248.6,59.32 248.67,59.25 ; 263.08,63.18 263.08,62.81 263.08,63.18 ; 248.67,42.25 248.6,42.32 248.67,42.25 ; 263.08,46.18 263.08,45.81 263.08,46.18 ; 263.08,54.68 263.08,54.31 263.08,54.68 ; 248.67,50.75 248.6,50.82 248.67,50.75 ; 263.08,37.68 263.08,37.31 263.08,37.68 ; 248.67,33.75 248.6,33.82 248.67,33.75 ; 263.08,20.68 263.08,20.31 263.08,20.68 ; 248.67,16.75 248.6,16.82 248.67,16.75 ; 248.67,8.25 248.6,8.32 248.67,8.25 ; 263.08,12.18 263.08,11.81 263.08,12.18 ; 248.67,25.25 248.6,25.32 248.67,25.25 ; 263.08,29.18 263.08,28.81 263.08,29.18
